# KiCad board fpgaboard.kicad_pcb (continued)
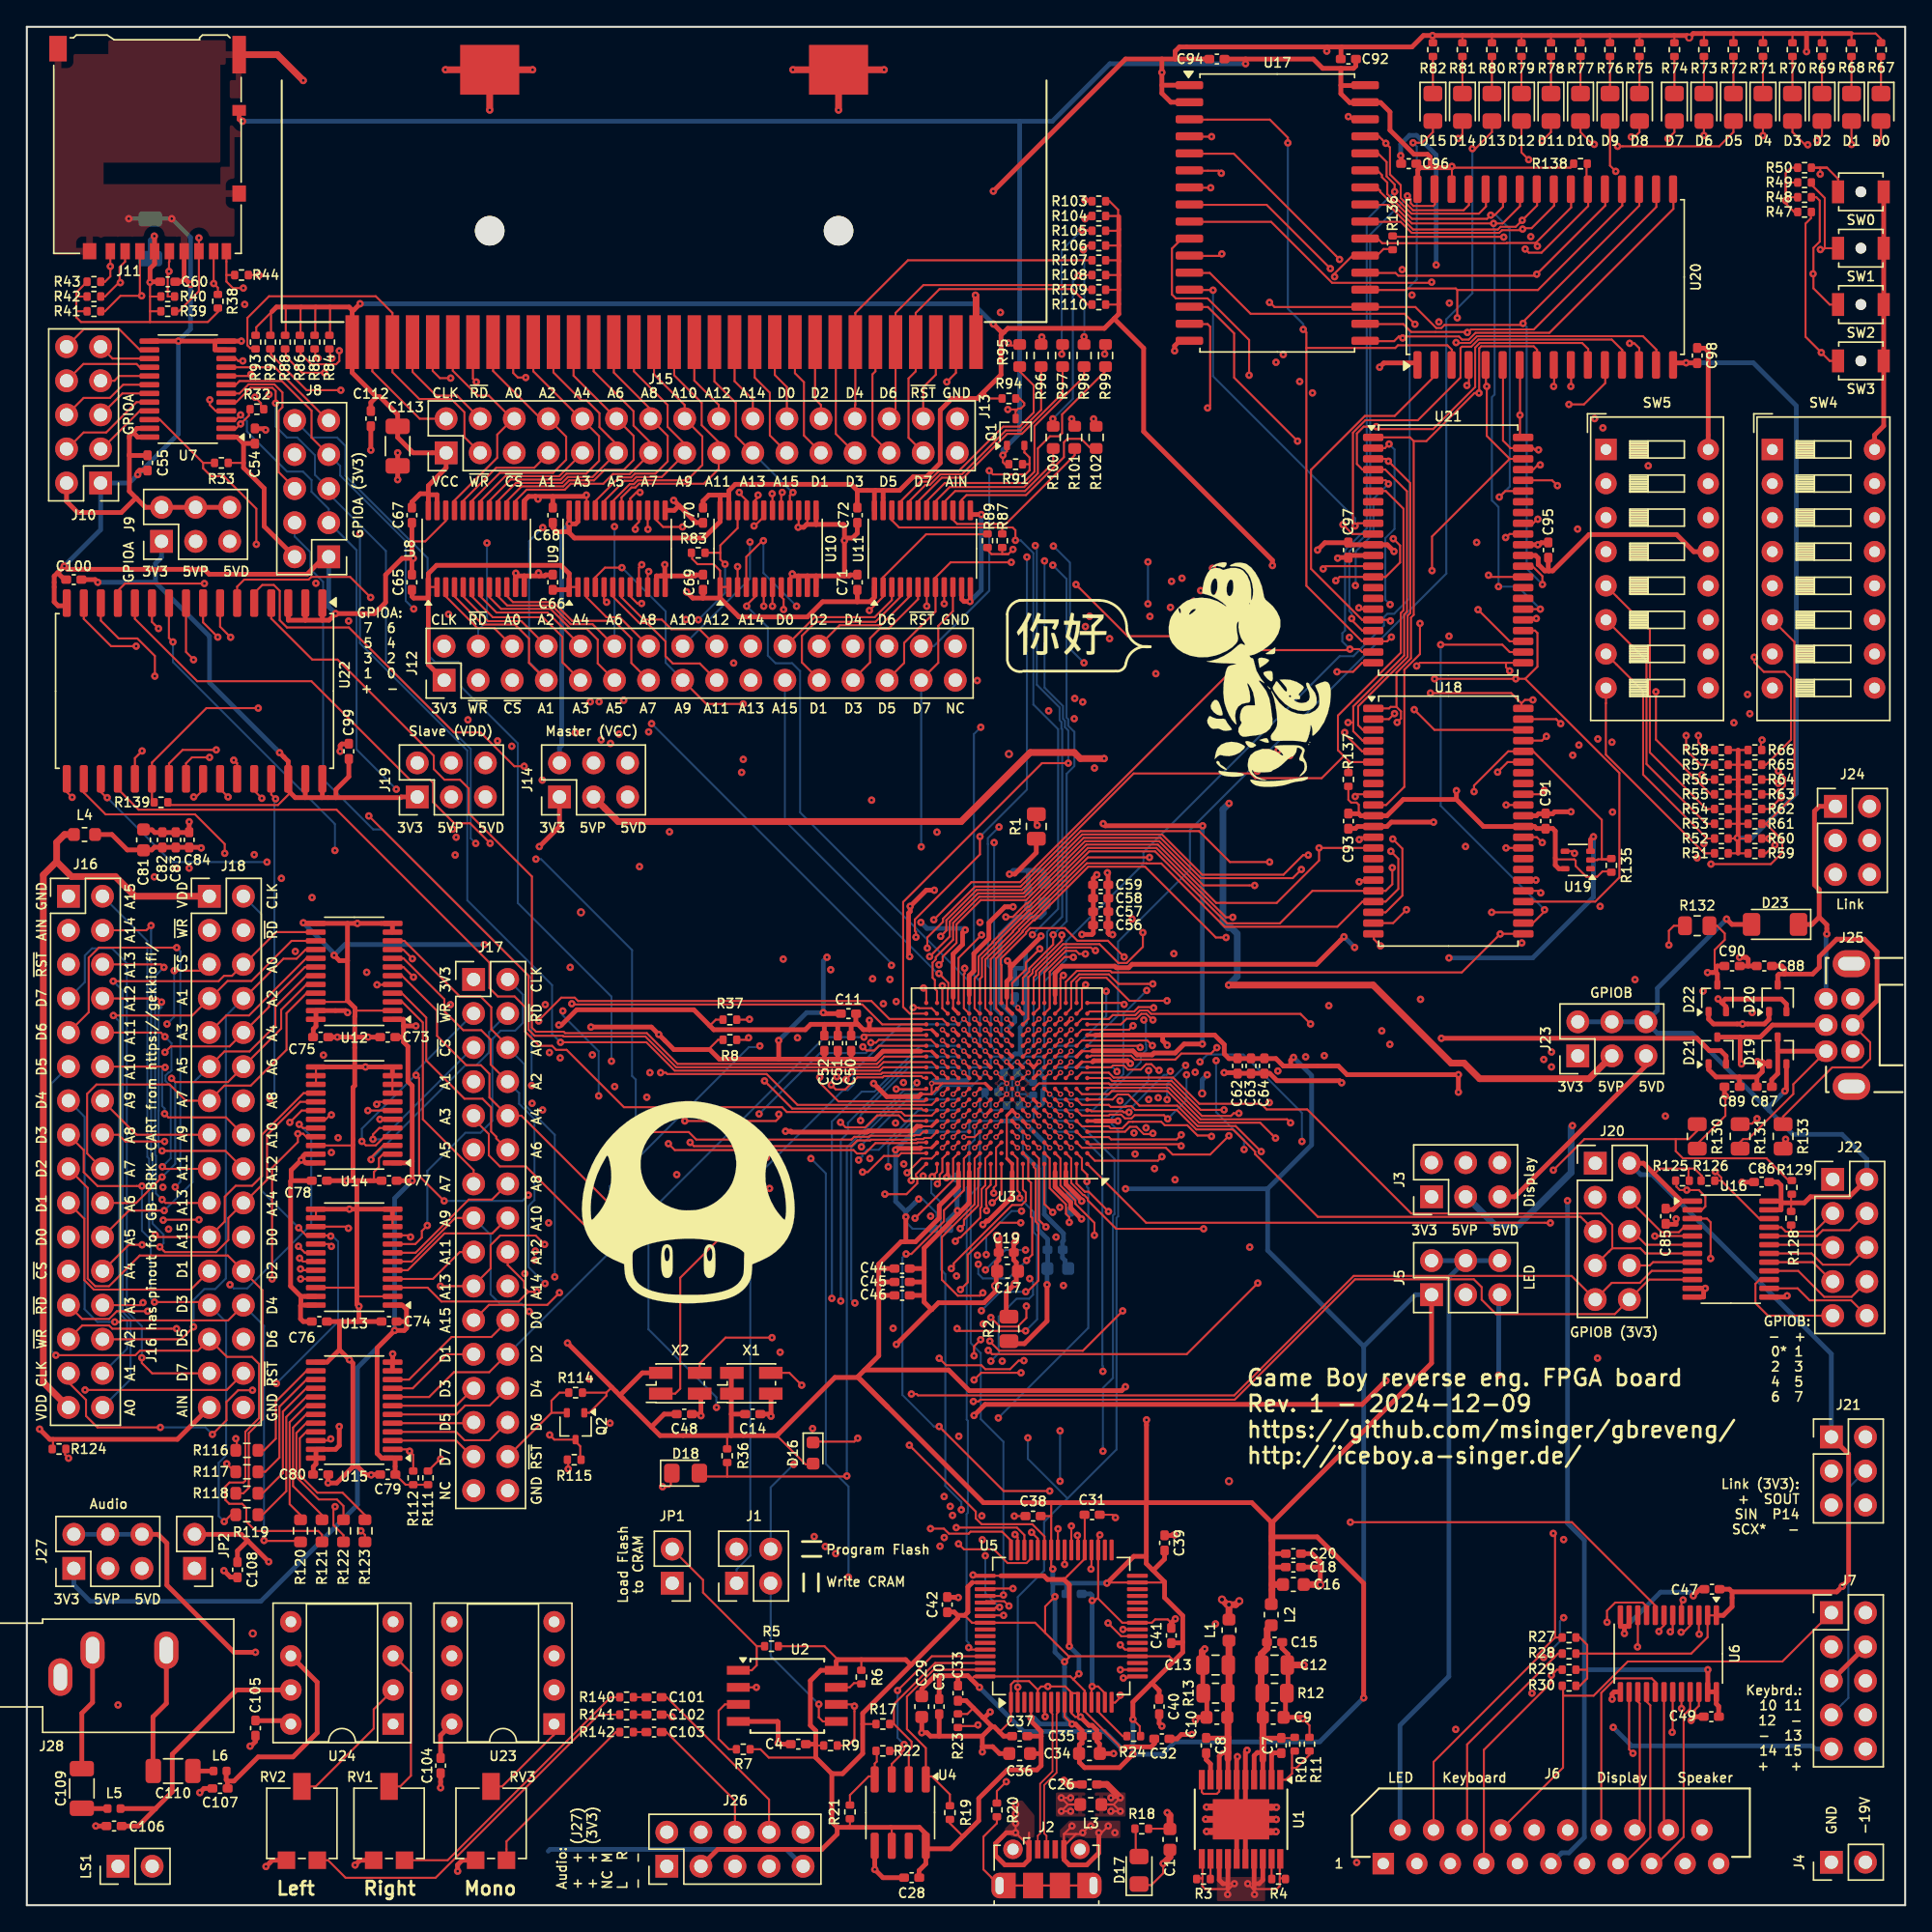
[diagram p0: board, top side]
## Routing (per net, layer and track width the routed paths; a pad name or vN(x,y) marks a point on that pad's centre or on a via; arc(x,y) is an arc through that point) (continued)
/Cartridge Slave Slot/X_VDD: length 57.3
  Top w0.5: J16.31 1.23,38.97 1.23,76.78 2.22,77.78 ; 2.22,77.78 2.22,79.21 2.81,79.8 3.55,79.8 ; 2.22,77.78 3.33,76.67 6.6,76.67 8.07,75.2 J18.1
/Cartridge Slave Slot/X_~{SCS}: length 54.9
  Top w0.15: v1(10.98,69.65) 13.13,69.65 J18.5 ; 21.55,58.58 22.28,58.58 22.6,58.9 v1(22.7,58.9)
  In1.Cu w0.15: J16.23 4.13,46.23 6.42,46.23 9.69,49.5 9.78,49.5 10.29,50 10.29,50.11 v1(10.57,50.39) ; J18.5 13.6,70.03 14.85,68.78 14.85,64.42 15.5,63.77 16.75,63.77 18.97,61.54 18.97,57.93 20.15,56.75 20.72,56.75 22.7,58.73 v1(22.7,58.9) ; v1(10.44,65.68) 9.84,65.07 9.84,60.09 10.72,59.21 10.72,54.09 v1(10.14,53.51)
  In2.Cu w0.15: v1(10.57,50.39) 10.84,50.66 10.84,52.81 v1(10.14,53.51)
  Bottom w0.15: v1(10.44,65.68) 10.98,66.21 v1(10.98,69.65)
/Cartridge Slave Slot/X_~{SRD}: length 52.8
  Top w0.15: v1(18.28,46.67) 18.28,54.96 20.2,56.88 v1(20.2,57.5) 20.6,57.5 20.82,57.28 21.55,57.28 ; v1(9,44.27) 6.71,44.27 6.13,43.69 4.13,43.69 J16.25
  In1.Cu w0.15: v1(20.2,57.5) 20.82,57.5 20.96,57.64 20.96,66.27 18.95,68.28 18.95,69.85 J18.4
  In2.Cu w0.15: v1(18.28,46.67) 18.28,42.63 16.67,41.02 12.25,41.02 v1(9,44.27)
/Cartridge Slave Slot/X_~{SRST}: length 73.2
  Top w0.15: J18.30 14.9,38.4 v1(4.34,38.4) ; 40.75,34.7 41.25,34.2 41.25,33.2 ; 40.75,34.7 Q2.3 ; 40.75,34.7 39.32,34.7 v1(38.97,35.05)
  In2.Cu w0.15: J18.30 26.45,39.64 31.23,34.86 38.4,34.86 38.58,35.05 v1(38.97,35.05) ; v1(4.34,38.4) 4.34,38.79 4.26,38.86 4.26,68.96 J16.5
/Cartridge Slave Slot/X_~{SWR}: length 50.1
  Top w0.15: J16.27 4.13,43.21 6.13,43.21 6.37,42.97 v1(11.16,42.97) ; 21.55,57.92 20.58,57.92 v1(20.3,58.2)
  In1.Cu w0.15: J18.3 14.97,71.29 14.97,69.55 15.67,68.85 16.88,68.85 19.36,66.38 19.36,59.78 20.3,58.84 v1(20.3,58.2)
  In2.Cu w0.15: v1(11.16,42.97) 11.74,43.56 13.95,43.56 14.85,44.45 14.85,45.95 v1(15.14,46.25)
  Bottom w0.15: v1(20.3,58.2) 21.2,57.3 21.2,50.75 16.42,45.97 15.42,45.97 v1(15.14,46.25)
/CBSEL0: length 90
  Top w0.15: v1(68.11,72.21) 68.54,72.64 68.54,73.42 70.79,75.67 74.17,75.67 78.56,80.06 87.37,80.06 89.67,77.75 v1(92.63,77.75) ; SW5.7 120.47,90.49 120.47,84.27 125.23,79.5 125.85,79.5 ; U3.K11 v3(70.64,62.85)
  In1.Cu w0.15: v1(68.11,72.21) 68.39,71.94 68.39,71.63 69.45,70.57 69.45,69.62 69.68,69.38 70.51,69.38 71.04,68.85 71.04,63.25 v3(70.64,62.85)
  In2.Cu w0.15: v1(92.63,77.75) 98.22,83.34 104.07,83.34 114,93.26 SW5.7
/CBSEL1: length 83.2
  Top w0.102: U3.P13 69.44,65.66
  Top w0.15: 125.85,78.4 125.04,78.4 117.69,85.75 117.69,89.58 117.7,89.59 SW5.8 ; U3.P13 v3(69.04,66.05) ; v1(91.51,76.01) 87.7,76.01 84.4,79.3 78.87,79.3 74.48,74.91 71.1,74.91 69.29,73.11 69.29,71.73 68.26,70.69 68.26,70.37 v1(67.99,70.09)
  In1.Cu w0.15: v3(69.04,66.05) 69.04,68.6 68.44,69.2 68.44,69.64 v1(67.99,70.09)
  In2.Cu w0.15: SW5.8 111.94,90.72 104.31,83.08 98.61,83.08 91.8,76.28 91.79,76.28 v1(91.51,76.01)
/CBUS0: length 40.6
  Top w0.15: 73.35,26.5 73.35,27.18 72.69,27.84 70.34,27.84 70.19,27.69 68.73,27.69 68.35,28.06 v1(67.36,28.06) ; U3.D13 v3(69.04,57.25)
  In1.Cu w0.15: v1(67.36,28.06) 66.54,28.88 66.54,44.71 64.97,46.28 64.97,54.42 65.16,54.61 65.16,55.04 v1(65.36,55.24)
  In2.Cu w0.15: v3(69.04,57.25) 68.64,56.85 66.97,56.85 v1(65.36,55.24)
/CBUS1: length 38.4
  Top w0.15: U3.E10 v3(71.44,58.05) ; v1(72.79,23.11) 72.72,23.05 71.4,23.05
  Bottom w0.15: v3(71.44,58.05) 71.04,57.65 71.04,53.65 70.35,52.96 70.35,41.9 71.1,41.15 71.1,36.23 72.79,34.54 v1(72.79,23.11)
/CBUS2: length 43.4
  Top w0.15: v3(69.84,57.25) 70.64,57.25 U3.D11 ; v1(73.2,22.3) 72.84,22.66 71.51,22.66 71.4,22.55
  In1.Cu w0.15: v3(69.84,57.25) 69.44,56.85 69.44,53.65 68.41,52.62 68.41,50.95 68.04,50.59 68.04,49.89 67.8,49.65 67.8,46.35 68.38,45.77 68.38,42.49 68.96,41.91 68.96,40.36 68.7,40.11 68.7,36 68.7,30.77 68.82,30.64 v1(68.82,29.72)
  In2.Cu w0.15: v1(68.82,29.72) 68.5,29.4 68.5,28.22 67.59,27.3 67.59,26.56 71.5,22.66 72.84,22.66 v1(73.2,22.3)
/CBUS3: length 37.7
  Top w0.15: U3.C11 v3(70.64,56.45) ; 71.4,22.05 72.08,22.05 72.23,22.2 v1(72.5,22.2)
  In1.Cu w0.15: v3(70.64,56.45) 70.64,53.65 70.05,53.06 70.05,50.21 69.88,50.04 69.88,47.46 70.29,47.05 70.29,45.59 70.12,45.42 70.12,43.71 70.51,43.32 70.51,42.04 71.1,41.45 71.1,40.5 71.71,39.89 71.71,26.32 v1(71.44,26.05)
  Bottom w0.15: v1(72.5,22.2) 71.44,23.26 v1(71.44,26.05)
/CBUS4: length 41.2
  Top w0.15: 71.4,21.55 72.08,21.55 72.13,21.6 v1(72.8,21.6) ; U3.C13 v3(69.04,56.45)
  In1.Cu w0.15: v3(69.04,56.45) 69.04,53.65 68.16,52.77 68.16,51.06 67.79,50.69 67.79,50.04 67.5,49.75 67.5,46.2 68.13,45.57 68.13,42.39 68.71,41.81 68.71,40.47 68.41,40.17 68.41,35.93 68.45,35.89 68.45,30.92 68.37,30.85 v1(68.37,30.46)
  In2.Cu w0.15: v1(68.37,30.46) 68.06,30.15 68.06,28.13 67.31,27.38 67.31,26.44 72.15,21.6 v1(72.8,21.6)
/CDONE: length 78.5
  Top w0.15: 50.2,32.2 50.45,31.95 52.2,31.95 ; U3.M10 v3(71.44,64.45) ; 52.2,33.05 52.2,31.95 ; 52.2,31.95 61.08,31.95 v1(61.12,31.99) ; 82.8,20.05 81.56,20.05 v1(80.59,21.03)
  In1.Cu w0.15: v3(69.04,64.45) 68.64,64.05 67.84,64.05 66.34,62.55 v1(66.34,61.3) ; v1(61.12,31.99) 66.36,26.75 v1(68.07,26.75)
  In2.Cu w0.15: v1(80.59,21.03) 77.3,21.03 71.82,26.5 69.66,26.5 69.63,26.48 68.34,26.48 v1(68.07,26.75) ; v3(69.04,64.45) 69.44,64.05 71.04,64.05 v3(71.44,64.45)
  Bottom w0.15: v1(61.12,31.99) 61.12,56.48 65.4,60.76 65.8,60.76 v1(66.34,61.3)
/CLOCK: length 85.5
  Top w0.15: 55.08,39.67 56.84,39.67 v1(57.75,38.76) ; 73.85,15.1 73.85,16.24 v1(73.86,16.25) ; U3.J3 v3(77.84,62.05)
  In2.Cu w0.15: v1(57.75,38.76) 69.98,38.76 70.29,38.45 71,38.45 v1(74.61,34.83) ; v1(83.61,62.21) 83.08,61.67 81.02,61.67 80.64,62.05 v3(77.84,62.05)
  Bottom w0.15: 77.57,30.31 75.82,28.56 75.82,24.93 73.86,22.97 v1(73.86,16.25) ; 77.57,30.31 74.61,33.27 v1(74.61,34.83) ; 77.57,30.31 81.22,33.96 81.22,51.23 81.34,51.35 81.34,57.74 80.87,58.21 80.87,58.69 83.61,61.44 v1(83.61,62.21)
/DBUS0: length 37.9
  Top w0.15: 78.35,26.5 78.35,27.51 v1(78.3,27.56) ; v1(69.21,49.49) 69.48,49.76 69.59,49.76 71.07,51.25 71.07,51.95 71.16,52.04 71.16,53.37 71.44,53.65 71.44,55.65 U3.B10
  In1.Cu w0.15: v1(69.21,49.49) 69.6,49.09 69.6,47.38 70.04,46.94 70.04,45.69 69.87,45.52 69.87,43.48 70.1,43.25 70.1,40.45 71.18,39.37 v1(71.18,29.02)
  In2.Cu w0.15: v1(78.3,27.56) 76.25,27.56 75.38,28.43 71.77,28.43 v1(71.18,29.02)
/DBUS1: length 39.3
  Top w0.15: v1(76.24,30.87) 72.81,30.87 v1(68,35.68) ; 77.85,26.5 77.85,28.26 v1(77.85,28.26) ; v1(65.54,48.54) 65.92,48.54 68.36,50.97 68.36,51.79 69.84,53.27 69.84,55.65 U3.B12
  In1.Cu w0.15: v1(77.85,28.26) 76.24,29.88 v1(76.24,30.87)
  Bottom w0.15: v1(65.54,48.54) 65.26,48.26 65.26,38.03 67.61,35.68 v1(68,35.68)
/DBUS2: length 41.9
  Top w0.15: v1(66.2,51.2) 69.04,54.04 69.04,55.65 U3.B13 ; v1(77.35,25.4) 77.35,26.5
  In1.Cu w0.15: v1(66.2,51.2) 66.05,51.05 66.05,45.6 66.79,44.86 66.79,29.37 68.38,27.79 v1(68.38,27.4)
  In2.Cu w0.15: v1(68.38,27.4) 69.69,27.4 70.33,26.75 71.93,26.75 73.08,25.6 77.15,25.6 v1(77.35,25.4)
/DBUS3: length 36.2
  Top w0.15: U3.A15 67.84,54.66 v1(67.48,54.3) ; v1(76.86,28.05) 76.85,28.04 76.85,26.5
  In2.Cu w0.15: v1(69.65,29.47) 75.44,29.47 v1(76.86,28.05)
  Bottom w0.15: v1(69.65,29.47) 69.65,30.05 68.46,31.25 68.46,47.04 68.13,47.37 68.13,52.38 67.42,53.09 67.42,54.23 v1(67.48,54.3)
/DBUS4: length 38.5
  Top w0.15: U3.A16 66.27,54.48 66.27,54.33 66.37,54.23 66.37,53.8 65.56,52.99 v1(63.95,52.99) ; 75.85,26.5 75.85,27.48 74.94,28.39 71.17,28.39 70.73,28.83 70.73,29.33 v1(65.78,34.28)
  In1.Cu w0.15: v1(63.95,52.99) 63.95,42.78 64.38,42.36 64.92,42.36 65.27,42.01 65.27,34.8 v1(65.78,34.28)
/DBUS5: length 37.2
  Top w0.15: 75.35,26.5 75.35,27.32 v1(74.89,27.79) ; U3.B14 68.24,55.65 68.24,54.65 68.04,54.45 68.04,53.94 v1(67.87,53.76) 67.95,53.76
  In1.Cu w0.15: v1(69,29.05) 68.78,29.05 67.55,30.29 67.55,39.67 68.46,40.57 68.46,41.7 67.88,42.28 67.88,45.38 67.2,46.05 67.2,49.9 67.54,50.24 67.54,50.8 67.9,51.16 67.9,53.34 67.87,53.37 v1(67.87,53.76)
  In2.Cu w0.15: v1(69,29.05) 69.97,28.08 74.59,28.08 v1(74.89,27.79)
/DBUS6: length 39.4
  Top w0.15: 74.85,26.5 74.85,25.84 74.51,25.5 73.1,25.5 72.08,26.52 69.85,26.52 v1(69.44,26.93) ; U3.B15 67.44,55.65 66.67,55.65 v1(65.61,54.59)
  In1.Cu w0.15: v1(65.61,54.59) 65.34,54.32 65.34,52.74 66.65,51.42 66.65,50.51 66.35,50.21 66.35,45.7 67.04,45.01 67.04,29.72 69.44,27.32 v1(69.44,26.93)
/DBUS7: length 37.2
  Top w0.15: v1(69.27,28.14) 73.8,28.14 74.35,27.59 74.35,26.5 ; v3(68.24,56.45) U3.C14
  In1.Cu w0.15: v1(69.27,28.14) 67.3,30.12 67.3,45.15 66.65,45.79 66.65,50.15 66.91,50.41 66.91,51.57 67.08,51.74 67.08,54.08 v1(66.8,54.35)
  In2.Cu w0.15: v3(68.24,56.45) 68.24,55.79 v1(66.8,54.35)
/EA15: length 59.7
  Top w0.15: v1(78,70.65) 77.97,70.68 77.35,70.68 76.24,69.57 76.24,66.85 U3.R5 ; v1(97.65,91.93) 98.85,91.93 99.52,92.6 100.4,92.6 ; 100.4,72.4 100.4,72 v1(100.89,71.5)
  In1.Cu w0.15: v1(100.89,71.5) 96.87,75.52 96.87,79.07 94.14,81.8 v1(94.14,85.69) 94.14,88.41 v1(97.65,91.93)
  In2.Cu w0.15: v1(78,70.65) 78.25,70.4 80.06,70.4 82.93,73.27 82.93,78.02 84.14,79.23 87.68,79.23 v1(94.14,85.69)
/EA16: length 124.6
  Top w0.15: 100.4,93.4 99.52,93.4 99.31,93.62 v1(98.62,93.62) 98.54,93.54 91.33,93.54 74.04,76.25 70.4,76.25 v1(67.6,73.44) ; 99.75,130.55 100.73,130.55 101.35,129.92 101.35,128.85 101.95,128.25 v1(101.95,127.71) 101.95,127.34 103.21,126.08 108.22,126.08 108.75,126.61 108.75,127.65 ; v1(102.83,74.2) 101.83,73.2 100.4,73.2 ; U3.P10 v3(71.44,66.05)
  In1.Cu w0.102: 71.44,68.81 71.44,68.85
  In1.Cu w0.15: v1(98.62,93.62) 99.18,93.06 99.18,84.61 98.55,83.99 98.55,80.89 99.78,79.66 99.78,78.67 102.83,75.62 v1(102.83,74.2) ; v1(67.6,73.44) 68.54,72.5 68.54,72.36 68.69,72.21 68.69,71.68 71.44,68.93 v3(71.44,66.05)
  Bottom w0.15: v1(101.95,127.71) 99.87,125.63 99.87,102.62 98.25,101 98.25,95 98.05,94.8 98.05,94.19 v1(98.62,93.62)
/EA17: length 135.2
  Top w0.15: v1(95.51,78.27) 95.12,78.27 93.66,76.8 87.61,76.8 84.61,79.8 78.66,79.8 74.27,75.42 70.89,75.42 68.79,73.32 68.79,72.2 v1(67.29,70.7) ; v1(95.14,117.45) 95.37,117.22 95.37,116.07 ; 106.22,114.95 106.22,115.93 105.88,116.27 102.2,116.27 101.99,116.07 95.37,116.07 ; v1(101.71,94.52) 101.39,94.2 99.51,94.2 95.37,98.34 95.37,116.07 ; 87.05,133.09 92.64,133.09 93.99,131.74 v1(93.99,131.35) ; U3.N10 v3(71.44,65.25) ; v1(101.81,79.46) 102.53,78.75 102.53,75.25 101.28,74 100.4,74
  In1.Cu w0.15: v1(101.71,94.52) 102.63,93.59 102.63,80.29 v1(101.81,79.46)
  In2.Cu w0.15: v1(67.29,70.7) 70.01,70.7 71.04,69.68 71.04,65.65 v3(71.44,65.25) ; v1(101.81,79.46) 100.92,79.46 99.72,78.27 v1(95.51,78.27)
  Bottom w0.15: v1(93.99,131.35) 93.99,118.99 95.14,117.84 v1(95.14,117.45)
/EA18: length 100.3
  Top w0.15: U3.T10 71.84,70.51 73.97,72.64 73.97,72.71 74.91,73.65 75,73.65 79,77.65 83.45,77.65 83.46,77.64 84.56,77.64 89.27,72.93 97.68,72.93 99.55,74.8 101.28,74.8 102.22,75.75 102.22,77.99 v1(101.67,78.55) ; 100.4,95 99.53,95 98.75,95.78 v1(98.75,95.89) ; 104.94,127.65 104.94,126.76 104.83,126.65 103.35,126.65 103.14,126.86 103.14,127.16 v1(102.9,127.4)
  In1.Cu w0.15: v1(98.75,95.89) 99.9,94.74 99.9,80.31 v1(101.67,78.55)
  Bottom w0.15: v1(102.9,127.4) 102.9,127.28 100.12,124.5 100.12,102.44 98.57,100.89 98.57,96.46 98.75,96.28 v1(98.75,95.89)
/EA19: length 89.4
  Top w0.15: 104.94,114.95 104.94,113.99 101.96,111 99.73,111 95.72,106.98 95.72,99.61 99.52,95.8 101.55,95.8 v1(101.63,95.72) ; U3.T11 71.04,69.05 71.19,69.19 71.19,70.59 72.24,71.64 72.24,71.7 74.7,74.16 74.79,74.16 79.18,78.55 84.09,78.55 89.46,73.18 93.39,73.18 95.81,75.6 101.28,75.6 101.77,76.1 v1(101.77,77.32)
  In1.Cu w0.15: v1(101.77,77.32) 102.94,78.5 102.94,94.41 v1(101.63,95.72)
/EA20: length 70.1
  Top w0.15: 118.1,77.95 117.75,77.95 ; 117.75,77.95 117.39,77.95 117.39,80.89 112.28,86 110.41,86 107.87,83.45 v1(107.87,83) ; 117.75,77.95 117.1,77.95 117.05,77.9 U19.2 ; U3.T15 67.84,68.14 67.68,68.3 67.68,68.96 67.51,69.13 67.51,70.25 67.74,70.49 67.74,70.66 69.04,71.96 69.04,73.21 70.99,75.16 74.38,75.16 78.77,79.55 84.51,79.55 87.51,76.55 94.35,76.55 v1(95,77.2)
  In2.Cu w0.15: v1(95,77.2) 99.68,77.2 101.48,79 103.87,79 v1(107.87,83)
/External Link Port, GPIOB/ELP_P14: length 45.1
  Top w0.15: J25.4 137.39,64.31 137.39,63.07 136.76,62.44 134.56,62.44 130.9,58.78 130.9,58.25
  Top w0.35: J25.4 136.1,65.61 137.91,67.42 137.91,71.05 136.95,72 134.9,72 133.6,70.7 133.6,69.9 133.1,69.4 131,69.4 ; 130.05,70 130.8,70 131,69.8 131,69.4 ; D20.3 130.5,69.3 130.6,69.4 131,69.4
  In1.Cu w0.15: J24.4 138.78,77.92 138.78,68.23 136.16,65.6 J25.4
/External Link Port, GPIOB/ELP_SCX: length 32
  Top w0.15: 127.7,56.35 127.7,56.88 127.92,57.1 128.3,57.1 131.66,60.46 131.66,61.19 134.1,63.62 J25.5
  Top w0.35: 130.05,61.2 130.05,61.53 130.5,61.98 130.5,63.65 ; 130.5,63.65 D19.3 ; 130.5,63.65 J25.5
  In1.Cu w0.15: J24.5 134.8,76.77 132.81,74.77 132.81,64.94 J25.5
/External Link Port, GPIOB/ELP_SIN: length 34.8
  Top w0.15: 126.53,60.37 v1(126.6,60.3) 126.6,58.83 124.5,56.73 124.5,56.35
  Top w0.35: 127.7,64.7 129.2,64.7 130.1,65.6 J25.3 ; 127.7,64.7 127.7,62.8 v1(127.8,62.7) ; 127.7,64.7 D21.3 ; C89.1 126.53,60.37
  In1.Cu w0.15: J25.3 133.06,66.64 133.06,72.02 135.83,74.79 135.83,78.43 134.9,79.36 J24.3
  In2.Cu w0.35: v1(127.8,62.7) 127.8,61.5 v1(126.6,60.3)
/External Link Port, GPIOB/ELP_SOUT: length 36
  Top w0.15: 125.45,73 125.98,73 126.55,72.43 126.55,71.95 125.8,71.2 125.8,70 125.9,69.9
  Top w0.35: D22.3 126,69.4 125.9,69.5 ; v1(125.27,69.51) 125.89,69.51 125.9,69.5 ; 125.9,69.5 125.9,69.9 126,70 126.55,70
  In1.Cu w0.15: J24.2 136.05,80.61 136.05,78.96 136.97,78.04 137.87,78.04 138.53,77.38 138.53,69.92 136.16,67.55 J25.2
  In2.Cu w0.35: v1(125.27,69.51) 134.08,69.51 136.04,67.55 J25.2
/External Link Port, GPIOB/XGPIO_B0: length 16.9
  Top w0.15: 131.4,50.2 131.5,50.2 131.5,50.75 ; 131.4,50.2 131.1,50.2 130.78,50.53 129.85,50.53 ; 131.4,50.2 133.24,50.2 134.6,51.56 J22.3 ; v1(128.96,58.62) 128.59,58.25 127.7,58.25
  In1.Cu w0.15: v1(128.96,58.62) 128.96,57.2 J22.3
/External Link Port, GPIOB/XGPIO_B1: length 8
  Top w0.15: 129.85,49.88 133.42,49.88 133.86,50.31 135.86,50.31 137.11,51.56 J22.4
/External Link Port, GPIOB/XGPIO_B2: length 4.8
  Top w0.15: J22.5 134.4,49.22 129.85,49.22
/External Link Port, GPIOB/XGPIO_B3: length 8.2
  Top w0.15: 129.85,48.58 133.03,48.58 133.86,47.74 135.86,47.74 137.14,49.02 J22.6
/External Link Port, GPIOB/XGPIO_B4: length 5.3
  Top w0.15: J22.7 134.57,46.48 133.13,47.92 129.85,47.92
/External Link Port, GPIOB/XGPIO_B5: length 8.6
  Top w0.15: J22.8 137.14,46.47 136.01,45.34 133.96,45.34 132.03,47.28 129.85,47.28
/External Link Port, GPIOB/XGPIO_B6: length 8.7
  Top w0.15: 129.85,46.62 129.15,46.62 128.84,46.31 128.84,44.87 129.77,43.94 J22.9
/External Link Port, GPIOB/XGPIO_B7: length 8.1
  Top w0.15: 129.85,45.97 131.99,45.97 132.88,45.08 135.97,45.08 137.11,43.94 J22.10
/GPIO_B1: length 56.7
  Top w0.15: U3.J5 v3(76.24,62.05) ; J20.4 119.44,52.56 121.85,50.16 123.13,50.16 123.5,50.53 124.15,50.53
  In2.Cu w0.15: v1(81.25,62.14) 82.35,62.14 82.94,62.72 85.8,62.72 86.15,63.07 86.83,63.07 87.05,62.85 v1(87.44,62.85) ; J20.4 119.08,52.76 117.69,54.15 115.92,54.15 112.93,57.14 95.65,57.14 95.43,56.92 v1(95.04,56.92)
  Bottom w0.15: v1(81.25,62.14) 80.94,62.45 76.64,62.45 v3(76.24,62.05) ; v1(87.44,62.85) 87.99,63.4 90.69,63.4 95.04,59.05 v1(95.04,56.92)
/GPIO_B2: length 51
  Top w0.15: v1(121.34,49.87) 121.35,49.88 124.15,49.88 ; J20.5 115.82,51.3 96.22,51.3 91.55,55.98 91.55,56.16 89.89,57.82 87.16,57.82 85.72,59.27 82.61,59.27 82.33,59.55 81.96,59.55 81.91,59.5 80.79,59.5 80.64,59.65 78.64,59.65 U3.G2
  In1.Cu w0.15: v1(121.34,49.87) 120.46,48.98 118.14,48.98 J20.5
/GPIO_B3: length 55.6
  Top w0.15: 124.15,49.22 120.67,49.22 119.68,50.22 J20.6 ; U3.H4 v3(77.04,60.45)
  In1.Cu w0.15: v1(84.32,60.18) 84.32,60.07 85.58,58.81 v1(85.58,54.07)
  In2.Cu w0.15: v1(85.58,54.07) 111.75,54.07 114.33,51.49 118.17,51.49 J20.6 ; v1(84.32,60.18) 83.99,60.52 81.11,60.52 80.64,60.05 77.44,60.05 v3(77.04,60.45)
/GPIO_B4: length 54.5
  Top w0.15: J20.7 116.9,47.7 117.91,48.71 117.92,48.71 118.17,48.96 ; 124.15,48.58 120.64,48.58 120.26,48.96 118.17,48.96 ; U3.J2 78.64,62.05 80.64,62.05 81.01,61.68 85.44,61.68 87.39,59.73 91.99,59.73 92.41,59.31 95.43,59.31 103.18,51.56 117.32,51.56 118.17,50.71 118.17,48.96
/GPIO_B5: length 62.2
  Top w0.15: J20.8 120.96,47.68 121.21,47.92 124.15,47.92 ; U3.J4 v3(77.04,62.05)
  In2.Cu w0.15: v1(90.72,56.32) 91.02,56.62 94.7,56.62 94.85,56.47 103.11,56.47 103.53,56.89 112.75,56.89 115.74,53.9 117.51,53.9 118.08,53.32 118.08,52.24 118.85,51.47 119.93,51.47 120.69,50.71 120.69,48.94 119.44,47.69 J20.8 ; v1(88.64,62.95) 88.27,63.32 81.51,63.32 80.64,62.45 77.44,62.45 v3(77.04,62.05)
  Bottom w0.15: v1(90.72,56.32) 90.72,57.03 88.64,59.11 v1(88.64,62.95)
/GPIO_B6: length 89.7
  Top w0.15: v1(65.93,38.1) 66.32,38.1 66.42,38 89.99,38 98.9,46.9 115.14,46.9 J20.9 116.9,45.15 118.13,46.38 120.22,46.38 121.12,47.28 124.15,47.28 ; U3.H16 67,60.81 64.81,60.81 v1(64.8,60.83)
  In1.Cu w0.15: v1(64.8,60.83) 64.2,60.23 64.2,56.14 64.91,55.43 64.91,54.72 64.72,54.53 64.72,46.09 65.93,44.88 v1(65.93,38.1)
/GPIO_B7: length 132
  Top w0.15: v1(70.55,37.54) 70.94,37.54 71.07,37.67 90.03,37.67 99,46.65 107.85,46.65 108.44,46.06 108.44,45.13 109.51,44.06 118.35,44.06 J20.10 119.44,45.16 120.91,46.62 124.15,46.62 ; U3.H14 v3(68.24,60.45)
  In1.Cu w0.15: v1(43.81,61.01) 45.68,59.15 45.68,51.18 46.33,50.52 v1(46.33,50.13)
  In2.Cu w0.15: v1(51.4,37.1) 51.84,37.54 v1(70.55,37.54) ; v3(68.24,60.45) 65.45,60.45 65.12,60.12 64.42,60.12 64.35,60.19 61.4,60.19 61.34,60.13 58.72,60.13 58.12,60.73 46.69,60.73 46.41,61.01 v1(43.81,61.01)
  Bottom w0.15: v1(51.4,37.1) 51.4,37.85 46.33,42.91 v1(46.33,50.13)
/GPIO_B_DIR: length 53.7
  Top w0.15: U3.H2 78.64,60.45 80.64,60.45 80.87,60.67 85.02,60.67 87.37,58.32 91.92,58.32 v1(93.07,57.17) ; 122.95,54 122.95,53.55 123.2,53.3 v1(123.72,53.3) 124.62,53.3 125.11,52.81 125.11,52.08 124.85,51.83 124.15,51.83
  In2.Cu w0.15: v1(93.07,57.17) 93.29,57.39 119.63,57.39 v1(123.72,53.3)
/GPIO_B_~{OE}: length 55.6
  Top w0.15: 126.3,54 126.3,54.22 v1(125.84,54.68) ; 126.3,54 129.12,51.17 129.85,51.17 ; 126.3,54 125.75,54 ; U3.H1 79.12,60.93 85.12,60.93 87.48,58.57 93.93,58.57 v1(94.19,58.31)
  In2.Cu w0.15: v1(125.84,54.68) 122.88,57.64 94.86,57.64 v1(94.19,58.31)
/MA0: length 175.7
  Top w0.15: 31.22,98.25 31.22,97.55 33.58,95.2 34.82,95.2 J12.6 ; v1(98.23,87.4) 98.23,87.3 99.52,86 100.4,86 ; v1(103.46,117.84) 102.69,118.61 91.22,118.61 88.17,121.66 87.05,121.66 ; v1(101.49,105.93) 101.49,105.99 101.28,106.2 100.4,106.2 ; U3.L10 v3(71.44,63.65) ; v1(114.94,111.86) 116.06,111.86 117.65,113.44 117.65,114.95
  In1.Cu w0.15: v1(103.46,117.84) 103.46,107.91 v1(101.49,105.93) ; v1(98.23,87.4) 97.95,87.68 97.95,91.5 98.12,91.68 98.12,92.1 97.87,92.35 97.87,97.21 v1(99.02,98.36)
  In2.Cu w0.15: J12.6 37.45,92.57 41.83,92.57 42.43,91.97 42.43,90.56 44.47,88.52 46.78,88.52 47.5,87.8 v1(71.1,87.8) 97.83,87.8 v1(98.23,87.4) ; v1(114.94,111.86) 113.38,110.29 113.38,107.18 112.13,105.93 v1(101.49,105.93)
  Bottom w0.15: v3(71.44,63.65) 71.04,64.05 71.04,68.85 70.59,69.3 70.59,73.03 70.59,73.03 70.59,87.28 v1(71.1,87.8) ; v1(101.49,105.93) 100.37,104.82 100.37,102.22 99.04,100.89 99.04,98.38 v1(99.02,98.36)
/MA1: length 199.1
  Top w0.15: v1(98.48,88.15) 98.86,88.15 ; 98.86,88.15 98.86,89.35 102.66,93.14 102.66,96.21 102.87,96.41 102.87,105.38 101.25,107 99.55,107 99.13,107.42 99.13,109.69 99.64,110.2 v1(100.58,110.2) 100.76,110.02 104.82,110.02 107.95,113.15 107.95,116.1 108.29,116.44 115.92,116.44 116.38,115.98 116.38,114.95 ; 98.86,88.15 98.86,87.49 99.56,86.8 100.4,86.8 ; U3.R10 71.44,66.85 71.44,70.48 73.5,72.55 73.5,72.61 74.8,73.91 74.9,73.91 79.09,78.09 v1(83.68,78.09) ; 87.05,122.92 88.91,122.92 v1(89.07,123.08) ; J12.7 37.43,92.59 37.43,94.41 36.38,95.45 33.97,95.45 31.88,97.55 31.88,98.25
  In1.Cu w0.15: v1(89.07,123.08) 89.07,117.96 93.46,113.56 v1(94.87,113.56)
  In2.Cu w0.15: v1(89.07,123.08) 80.3,114.31 80.3,110.93 71.87,102.5 60.7,102.5 60.2,102 55.4,102 55.22,102.17 53.19,102.17 51.93,103.44 41.57,103.44 40.63,102.5 39.02,102.5 38.84,102.68 v1(38.45,102.68) ; v1(100.58,110.2) 100.4,110.2 97.04,113.56 v1(94.87,113.56) ; v1(98.48,88.15) 98.75,87.87 98.75,87.28 98.23,86.75 96.91,86.75 88.25,78.09 v1(83.68,78.09)
  Bottom w0.15: v1(38.45,102.68) 37.44,101.67 37.44,92.66 38.72,91.38 J12.7
/MA2: length 187.2
  Top w0.15: 115.1,114.95 115.1,113.22 v1(115.08,113.2) ; 100.4,107.8 101.28,107.8 101.45,107.62 v1(101.49,107.62) 103.12,105.99 103.12,96.31 102.91,96.1 102.91,93.04 99.23,89.35 99.23,87.95 99.58,87.6 100.4,87.6 ; 32.53,98.25 32.53,97.55 34.37,95.7 36.86,95.7 J12.8 ; U3.T9 72.64,70.07 72.59,70.12 72.59,70.53 74.47,72.42 74.47,72.51 74.79,72.82 77.37,72.82 78.31,71.88 80.58,71.88 v1(81.78,70.68) ; 87.05,124.19 86.07,124.19 85.35,123.47 85.35,120.05 85.64,119.76 88,119.76 91.1,116.66 v1(91.1,114.03)
  In1.Cu w0.15: v1(83.56,96.99) 81.78,95.21 v1(81.78,70.68)
  In2.Cu w0.15: v1(83.56,100.12) 83.78,100.12 91.74,108.08 ; 91.74,108.08 92.19,107.62 v1(101.49,107.62) 101.76,107.9 112.78,107.9 113.12,108.24 113.12,111.24 v1(115.08,113.2) ; 91.74,108.08 91.74,113.4 v1(91.1,114.03) ; v1(83.56,96.99) 83.36,97.19 79.03,97.19 78.81,96.98 71.53,96.98 70.51,98 63.55,98 63.32,97.77 49.91,97.77 49.57,97.43 48.65,97.43 48.21,97.87 42.73,97.87 38.72,93.86 J12.8
  Bottom w0.15: v1(83.56,100.12) v1(83.56,96.99)
/MA3: length 186.5
  Top w0.15: U3.N9 v3(72.24,65.25) ; v1(101.94,88.81) 101.53,88.4 100.4,88.4 ; 113.84,114.95 113.84,113.23 v1(113.8,113.2) ; J12.9 39.92,92.64 39.92,94.53 38.46,95.99 34.73,95.99 33.17,97.55 33.17,98.25 ; v1(104.71,120.97) 104.66,120.92 97.29,120.92 92.74,125.47 87.05,125.47 ; v1(101.53,108.91) 101.23,108.6 100.4,108.6
  In1.Cu w0.15: v1(101.94,88.81) 101.11,89.64 101.11,96.21 101.61,96.71 v1(101.61,96.94) ; J12.9 41.97,91.3 43.47,89.8 v1(44.49,89.8) 46.28,89.8 62.12,73.95 66.96,73.95 67,73.92 67.79,73.92 68.79,72.91 68.79,72.46 68.94,72.31 68.94,71.78 71.84,68.89 71.84,65.65 v3(72.24,65.25)
  In2.Cu w0.15: v1(113.8,113.2) 112.82,113.2 112.26,113.76 ; v1(44.49,89.8) 45.27,89.02 46.99,89.02 47.59,88.42 62.91,88.42 63,88.5 77.06,88.5 77.49,88.94 101.42,88.94 101.55,88.81 v1(101.94,88.81) ; v1(104.71,120.97) 105.54,120.97 112.26,114.24 112.26,113.76 ; 112.26,113.76 107.41,108.91 v1(101.53,108.91)
  Bottom w0.15: v1(101.53,108.91) 101.94,108.5 101.94,102.58 101.25,101.89 101.25,97.31 v1(101.61,96.94)
/MA4: length 169.4
  Top w0.15: 103.37,109.12 103.09,109.4 100.4,109.4 ; 103.37,109.12 104.31,109.12 107.9,112.7 v1(108.24,112.7) 108.25,112.72 108.25,116.04 108.4,116.19 112.31,116.19 112.56,115.94 112.56,114.95 ; 103.37,109.12 103.37,96.17 103.17,95.97 103.17,92.93 102.09,91.86 102.09,89.31 ; 102.09,89.31 101.65,89.31 101.54,89.2 100.4,89.2 ; 102.09,89.31 102.42,88.98 102.42,88.44 v1(102.14,88.16) ; 33.83,98.25 33.83,97.52 35,96.34 38.81,96.34 41.26,93.9 J12.10 ; 87.05,126.73 92.41,126.73 v1(97.16,121.98) ; U3.P7 74.64,66.05 74.64,69.15 74.9,69.41 74.96,69.48 74.96,69.72 77.15,71.9 v1(77.15,72.31)
  In1.Cu w0.15: v1(78.07,88.43) 78.34,88.16 78.34,73.51 v1(77.15,72.31)
  In2.Cu w0.15: v1(102.14,88.16) 101.75,88.16 101.24,88.66 78.69,88.66 78.46,88.43 v1(78.07,88.43) 77.68,88.43 77.5,88.25 63.1,88.25 63.02,88.17 47.49,88.17 46.89,88.77 44.58,88.77 42.68,90.66 42.68,92.42 J12.10 ; v1(108.24,112.7) 108.24,115.65 103.27,120.61 98.87,120.61 97.51,121.98 v1(97.16,121.98)
/MA5: length 179.7
  Top w0.15: v1(75.5,71.28) 74.46,70.24 74.46,69.74 73.44,68.72 U3.T8 ; 111.4,89.2 111.4,89.58 ; 111.4,89.58 111.66,89.83 v1(112.25,89.83) ; 111.4,89.58 110.63,90.34 v1(104.62,90.34) ; 87.05,128 v1(88.24,128) ; J12.11 42.55,92.55 42.55,94.32 41.73,95.14 40.52,95.14 39.04,96.62 35.35,96.62 34.47,97.49 34.47,98.25 ; 111.29,114.95 111.29,111.06 v1(111.29,111.06) 111.29,109.4 111.4,109.4
  In1.Cu w0.15: v1(111.29,111.06) 111.47,110.89 111.47,94.77 112.25,93.98 v1(112.25,89.83) ; v1(75.5,71.28) 75.22,71.55 75.08,71.55 74.47,72.16 74.47,72.58 74.71,72.82 75.67,72.82 76.04,72.45 76.04,72.12 76.33,71.84 77.32,71.84 78.84,73.35 78.84,77.27 78.7,77.41 v1(78.7,89.68) ; v1(88.24,128) 92.14,124.1 92.14,115.31 93.11,114.34 94.8,114.34 95.82,113.32 v1(95.82,112.71)
  In2.Cu w0.15: J12.11 45.83,89.27 47.09,89.27 47.69,88.67 62.81,88.67 62.89,88.75 71.09,88.75 71.83,89.49 78.51,89.49 v1(78.7,89.68) 103.95,89.68 v1(104.62,90.34) ; v1(111.29,111.06) 108.69,108.46 100.08,108.46 v1(95.82,112.71)
/MA6: length 186.3
  Top w0.15: 111.4,88.4 113.99,88.4 v1(114.33,88.06) ; 87.05,129.28 88.84,129.28 v1(89.03,129.09) ; U3.T7 74.24,69.11 74.71,69.58 74.71,69.82 76.49,71.6 v1(76.49,72.33) ; J12.12 42.16,95.48 40.54,95.48 39.14,96.87 35.81,96.87 35.12,97.55 35.12,98.25 ; 110.03,114.95 110.03,109.16 110.59,108.6 112.28,108.6 112.41,108.47 v1(112.67,108.47)
  In1.Cu w0.15: v1(93.1,115) 93.1,125.01 v1(89.03,129.09) ; v1(114.33,88.06) 114.6,88.34 114.6,106.54 v1(112.67,108.47)
  In2.Cu w0.15: v1(43.8,102.75) 44.04,102.75 44.47,103.19 51.63,103.19 53.75,101.07 53.87,100.95 71.44,100.95 73.05,99.34 75.93,99.34 v1(76.47,99.88) 76.98,99.88 90.3,113.2 90.3,113.89 91.41,115 v1(93.1,115) 93.1,114.69 99.59,108.2 112.41,108.2 v1(112.67,108.47)